# Allegro board RK_TABLET_DEMO1_RK3576_LP4XD200P132SD6_V12_20240530YWQ.brd (continued)
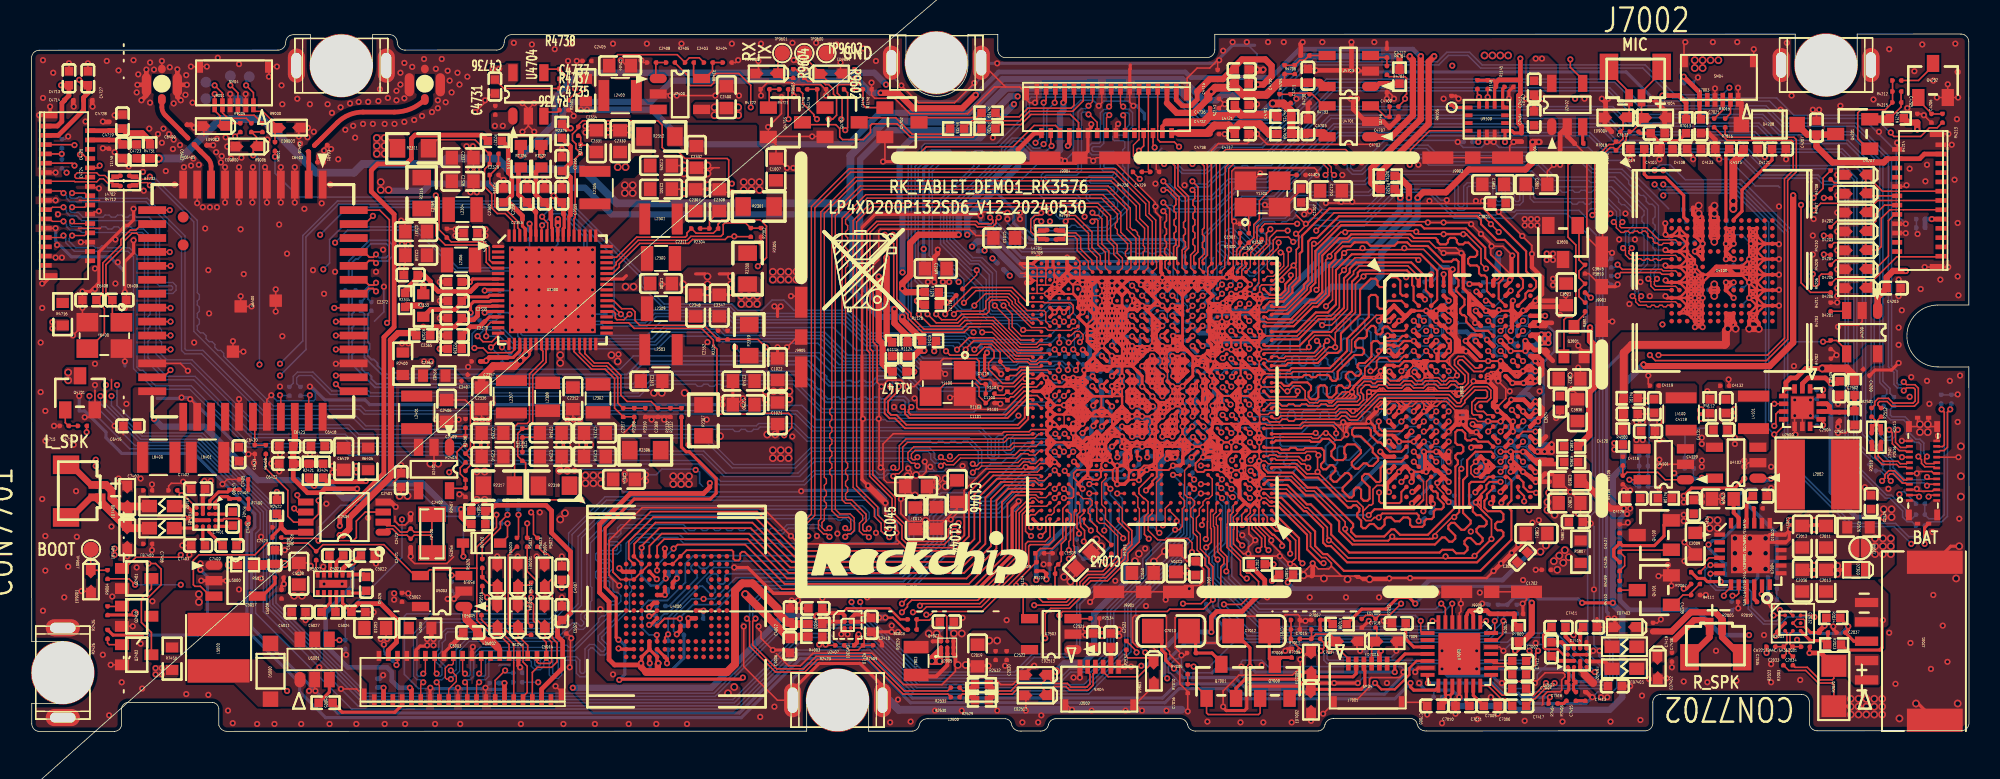
[diagram p0: board, top side]
## Placement (name value [footprint] x y rotation side) (continued)
C7414  10uF  [C0402]  100.56 6.73 0 top
C7415  10nF  [C0201]  100.26 2.26 270 top
C7416  100pF  [C0201]  99.34 3.17 180 top
C7417  10nF  [C0201]  98.17 1.8 0 top
C7418  680pF  [C0201]  105.84 4.8 270 top
C7419  680pF  [C0201]  104.63 6.73 90 top
C9103  100nF  [C0201]  95.33 41.63 0 top
C9104  100nF  [C0201]  96.14 38.38 270 top
C9105  100nF  [C0201]  92.69 38.07 180 bottom
CON7701  WF12002-01200  [FPC-0R8MM-2P]  4.23 15.12 180 top
CON7702  WF12002-01200  [FPC-0R8MM-2P]  109.08 6.79 270 top
D2300  PSUR1610DNV07  [ESD0603]  117.73 10.44 180 top
D2400  1N4148WS  [SOD_323]  29.04 12.17 180 top
D4201  ESD5471X  [ESD0402]  117.71 28.64 180 top
D4202  ESD5341N  [ESD0402]  117.71 34.73 180 top
D4203  ESD5341N  [ESD0402]  117.71 33.51 180 top
D4204  ESD5341N  [ESD0402]  117.71 32.29 180 top
D4205  ESD5341N  [ESD0402]  117.71 31.07 180 top
D4206  ESD5341N  [ESD0402]  117.71 29.85 180 top
D4207  ESD5341N  [ESD0402]  117.71 35.95 180 top
D4208  B5819W  [SOD_123]  112.13 39.2 0 top
D5000  B5819W  [SOD_123]  15.42 3.89 90 top
D9803  ESD5471X  [ESD0402]  72.42 3.78 270 top
ED2512  ESD5341N  [ESD0402]  64.78 2.32 180 top
ED2513  ESD5341N  [ESD0402]  64.78 3.64 180 top
ED5000  ESD5341N  [ESD0402]  33.1 7.44 90 top
ED5001  ESD5341N  [ESD0402]  33.1 10.08 90 top
ED5002  ESD5341N  [ESD0402]  31.37 7.44 90 top
ED5003  ESD5341N  [ESD0402]  30.05 10.08 90 top
ED5004  NC  [ESD0402]  31.37 10.08 90 top
ED5005  NC  [ESD0402]  30.05 7.44 90 top
ED7000  ESD5451N  [ESD0402]  84.9 5.83 0 top
ED7001  ESD5451N  [ESD0402]  82.56 4.45 90 top
ED7002  ESD5451N  [ESD0402]  82.56 1.91 270 top
ED7003  ESD5451N  [ESD0402]  87.44 5.83 0 top
ED7004  ESD5451N  [ESD0402]  104.78 39.65 0 top
ED7400  ESD5451N  [ESD0402]  6.18 15.16 90 top
ED7401  ESD5451N  [ESD0402]  6.18 12.52 270 top
ED7402  ESD5451N  [ESD0402]  104.93 4.09 270 top
ED7403  ESD5451N  [ESD0402]  102.8 6.73 180 top
ED9000  ESD5451N  [ESD0402]  13.88 37.78 180 top
ED9001  ESD5451N  [ESD0402]  3.84 9.68 270 top
ED9002  ESD5451N  [ESD0402]  11.75 39.1 180 top
ED9003  ESD5451N  [ESD0402]  16.62 39 0 top
ED9004  ESD5451N  [ESD0402]  102.19 39.65 180 top
ED9600  ESD5451N  [ESD0402]  47.42 42.49 180 top
ED9601  ESD5451N  [ESD0402]  51.59 42.49 0 top
FB7400  120R-100M  [L0603]  8.41 13.13 180 top
FB7401  120R-100M  [L0603]  8.41 14.55 180 top
FB7402  120R-100M  [L0603]  102.78 5.47 0 top
FB7403  120R-100M  [L0603]  102.78 4.05 0 top
J2000  JM  [OPEN]  117.99 11.84 270 top
J2001  CON5_1R25  [BAT-SMD]  118.41 5.83 90 top
J2501  OK_118RF24_2_35  [CNN24M_0R35]  122.05 16.84 0 top
J2502  SMD4  [FPC-6PIN-D]  68.9 2.73 0 top
J4201  TF  [CNN25_0R30_FH26W]  123.25 30.69 90 top
J4701  GC02M2_F  [CNN31_0R30_FH26W]  73.86 41.53 180 top
J4702  GC02M2_B  [CNN31_0R30_FH26W]  0.9 39.1 270 top
J5000  FPC-39PIN-0.35MM  [CNN39_0R30_FH26W]  22.11 2 0 top
J7001  SMD4  [FPC-6PIN-D]  86.22 2.93 0 top
J7002  CON-0.8MM-2P  [FPC-0R8MM-2P]  103.08 40.93 90 top
J7003  SMD4  [FPC-6PIN-D]  108.88 42.25 180 top
J9001  SMD4  [FPC-6PIN-D]  13.07 41.89 180 top
J9900  SHIELD_3P  [SHIELD_6R50X0R80]  94.21 9.02 0 top
J9901  SHIELD_3P  [SHIELD_6R50X0R80]  71.76 9.02 0 top
J9902  SHIELD_3P  [SHIELD_6R50X0R80]  92.99 37.06 0 top
J9903  SHIELD_3P  [SHIELD_6R50X0R80]  101.32 28.73 90 top
J9904  SHIELD_3P  [SHIELD_6R50X0R80]  67.64 37.06 0 top
J9905  SHIELD_3P  [SHIELD_6R50X0R80]  49.66 25.48 90 top
J9911  HOLE  [HOLE_A]  2.02 3.79 90 top
J9912  HOLE  [HOLE_A]  52.01 2.02 0 top
J9913  HOLE  [HOLE_A]  115.79 43.04 0 top
J9914  HOLE  [HOLE_A]  19.99 43.01 0 top
J9915  HOLE  [HOLE_A]  58.38 43.19 0 top
L2002  1.0uH  [IND_505015]  115.28 16.6 0 top
L2300  0.47uH  [IND_201610]  40.62 30.56 180 top
L2301  0.24uH  [IND_252012]  40.62 33.1 0 top
L2302  0.47uH  [IND_201610]  36.55 21.51 90 top
L2303  0.24uH  [IND_252012]  40.62 24.66 0 top
L2304  0.47uH  [IND_201610]  27.82 33.71 0 top
L2305  0.24uH  [IND_252012]  36.35 35.13 90 top
L2306  0.47uH  [IND_201610]  27.71 30.45 0 top
L2307  0.24uH  [IND_252012]  30.97 21.61 270 top
L2308  0.47uH  [IND_201610]  33.3 21.61 90 top
L2309  0.47uH  [IND_201610]  40.62 27.3 0 top
L2400  1.0uH  [IND_252010]  37.98 41.07 180 top
L2401  1.0uH  [IND_252010]  24.85 20.61 90 top
L2500  NC  [RP2_0405]  61.33 2.52 180 top
L2501  NC  [RP2_0405]  119.04 18.98 90 top
L4100  1.0uH  [IND_252010]  106.44 20.51 90 top
L4101  1.0uH  [IND_252010]  111.11 20.61 90 top
L4701  NC/MCZ1210DH900L2TA0G  [RP2_0504]  65.81 32.08 180 top
L4702  NC/MCZ1210DH900L2TA0G  [RP2_0504]  6.02 35.56 180 top
L5000  10uH  [IND_404030]  12.07 5.41 270 top
L6400  2.2uH  [IND_252012]  8.21 17.7 0 top
L6401  2.2uH  [IND_252012]  11.36 17.7 0 top
L7803  0.47uH  [IND_201610]  57.08 4.55 270 top
NOREF  -  []  50.32 10.06 0 top
NOREF#2  -  []  53.62 29.79 0 top
Q2400  WNM2021-3/TR  [SOT_323]  6.78 7.44 270 top
Q2401  WNM2021-3/TR  [SOT_323]  6.78 9.88 270 top
Q2402  WNM2021-3/TR  [SOT_323]  6.78 4.95 270 top
Q3800  NC/WNM2016-3/TR  [SOT_23]  98.82 31.58 180 top
Q3801  NC/WNM2021-3/TR  [SOT_323]  99.53 25.18 0 top
Q4100  WPM2015-3/TR  [SOT_23]  104.71 12.68 90 top
Q4101  S8050  [SOT_23]  104.71 9.13 90 top
Q4201  WPM2026-3/TR  [SOT_23]  117.51 38.59 90 top
Q4202  S8050  [SOT_23]  122.69 42.05 0 top
Q4701  S8050  [SOT_23]  3.13 21.87 0 top
Q4702  S8050  [SOT_23]  56.16 39.34 270 top
Q4703  S8050  [SOT_23]  48.64 39.34 270 top
Q4704  S8050  [SOT_23]  52.3 39.34 270 top
Q7000  WNM2016-3/TR  [SOT_23]  80.22 3.24 0 top
Q7001  WNM2016-3/TR  [SOT_23]  76.77 3.24 0 top
R1100  22R  [R0201]  61.85 21.82 0 top
R1101  510K  [R0201]  62.97 21.67 270 top
R1102  11.3K/43K  [R0201]  65.76 10.18 0 top
R1103  100K  [R0201]  65.97 10.79 180 top
R1104  10K  [R0201]  64.85 10.64 90 top
R1105  10K  [R0201]  61.55 24.82 180 bottom
R1107  0R  [R0201]  62.97 23.09 270 top
R1119  0R  [R0402]  55.53 24.69 270 top
R1121  100K  [R0201]  59.87 28.37 45 top
R1124  NC/0R  [R0402]  56.52 24.69 270 top
R1125  0R  [R0402]  58.09 28.37 180 top
R1126  NC/0R  [R0402]  58.09 27.56 180 top
R1127  2.2K  [R0201]  61.9 22.83 270 bottom
R1128  2.2K  [R0201]  61.04 22.83 90 bottom
R1138  2.2K  [R0201]  31.42 14.66 270 bottom
R1139  2.2K  [R0201]  30.71 14.66 270 bottom
R1141  0R  [R0402]  57.91 25.22 180 top
R1145  2.2K  [R0201]  93.96 41.78 270 top
R1146  2.2K  [R0201]  93.3 41.78 270 top
R1147  0R  [R0402]  56.01 23.24 180 top
R1200  240R  [R0201]  76.77 23.35 0 bottom
R1201  240R  [R0201]  76.47 19.88 180 bottom
R1202  0R  [R0402]  79.12 10.79 0 top
R1203  NC/0R  [R0201]  76.02 17.91 270 bottom
R1300  22R  [R0201]  78.26 32.18 0 top
R1301  8.2K  [R0201]  76.1 28.04 45 bottom
R1302  510K  [R0201]  78.26 31.57 0 top
R1306  0R  [R0201]  79.38 32.08 90 top
R1320  0R  [R0402]  87.51 35.89 180 top
R1323  0R  [R0402]  87.51 35.03 180 top
R1353  22R  [R0201]  69.68 11.76 270 top
R1360  NC/10K  [R0201]  67.59 11.15 180 bottom
R1361  NC/10K  [R0201]  67.44 12.12 90 bottom
R1367  22R  [R0201]  65.05 17.2 225 bottom
R1400  8.2K  [R0201]  72.01 28.73 90 bottom
R1401  200R  [R0201]  74.45 28.42 90 bottom
R1402  200R  [R0201]  71.1 29.23 0 bottom
R1407  0R  [R0201]  62.51 30.05 315 bottom
R1409  0R  [R0201]  61.09 31.32 90 bottom
R1412  0R  [R0201]  61.09 32.23 180 bottom
R1800  2.2K  [R0201]  95.23 7.9 270 bottom
R1801  2.2K  [R0201]  94.62 7.9 270 bottom
R1802  2.2K  [R0201]  108.99 10.79 180 bottom
R1803  2.2K  [R0201]  108.99 10.13 180 bottom
R1926  2.2K  [R0201]  72.27 13.54 270 bottom
R1927  2.2K  [R0201]  75.8 8.51 90 bottom
R1934  2.2K  [R0201]  73.18 13.79 0 bottom
R1935  2.2K  [R0201]  74.91 16.99 270 bottom
R2003  100R  [R0201]  113.65 4.56 90 top
R2004  100K  [R0201]  109.71 8.1 90 bottom
R2005  0R  [R0201]  110.4 8.37 0 top
R2006  10K  [R0201]  112.33 9.23 0 bottom
R2007  10K  [R0201]  107.37 10.29 0 top
R2010  100R  [R0201]  111.62 8.37 0 top
R2011  30K  [R0201]  112.33 8.52 0 bottom
R2020  0.002R  [R1206]  116.29 2.93 90 top
R2022  100R  [R0201]  113.04 4.56 90 top
R2023  4.7R  [R0402]  116.31 5.61 180 top
R2024  NC/10K  [R0402]  116.26 7.34 0 top
R2025  5.1K  [R0201]  112.33 9.94 180 bottom
R2026  0.01R  [R0603]  117.88 13.18 180 top
R2028  10K  [R0201]  56.82 7.24 0 top
R2029  NC/10K  [R0201]  56.82 6.58 0 top
R2300  0.02R  [R0805]  46.21 29.9 90 top
R2301  0.01R  [R0805]  46.92 33.91 0 top
R2302  49.9K  [R0201]  46.41 32.23 90 top
R2304  100R  [R0201]  44.02 32.49 0 top
R2305  100K  [R0201]  47.07 32.23 270 top
R2306  0.02R  [R0805]  39.6 18.16 180 top
R2307  0.01R  [R0805]  43.36 20.09 270 top
R2308  22K  [R0201]  38.89 20.6 90 top
R2310  100K  [R0201]  39.6 20.6 270 top
R2311  0.02R  [R0805]  24.62 37.67 0 top
R2312  0.01R  [R0805]  40.52 38.43 0 top
R2313  120K  [R0201]  29.85 36.65 0 top
R2314  100R  [R0201]  35.44 37.62 270 top
R2315  100K  [R0201]  29.85 35.94 0 top
R2316  0.02R  [R0805]  25.17 34.77 270 top
R2317  0.01R  [R0805]  30.15 15.87 180 top
R2318  0.02R  [R0805]  33.71 15.87 180 top
R2319  0.02R  [R0805]  46.31 25.27 270 top
R2320  100R  [R0201]  31.68 19.28 90 top
R2321  100R  [R0201]  44.91 25.6 270 top
R2322  0.02R  [R0603]  32.9 37.16 90 top
R2324  0R  [R0201]  30.66 23.8 180 bottom
R2325  0R  [R0402]  34.22 38.79 90 top
R2326  0.02R  [R0603]  31.58 37.16 90 top
R2327  0R  [R0402]  29.9 38.15 180 top
R2328  0R  [R0402]  27.31 24.71 180 top
R2329  0R  [R0402]  25.28 25.58 180 top
R2330  390K  [R0201]  41.94 20.6 90 top
R2332  100K  [R0201]  40.41 20.6 270 top
R2333  0.02R  [R0603]  25.28 27.51 90 top
R2334  0R  [R0402]  24.11 27.86 270 top
R2400  NC/0R  [R0603]  23.96 23.75 270 top
R2401  0R  [R0603]  35.77 41.43 270 top
R2402  0R  [R0603]  25.99 22.99 180 top
R2403  100K  [R0201]  28 17.66 270 top
R2404  249K  [R0201]  43.67 43.2 0 top
R2405  100K  [R0201]  41.23 43.2 180 top
R2406  10K  [R0201]  28 18.78 90 top
R2407  120K  [R0201]  28 15.43 270 top
R2408  100K  [R0201]  44.88 43.2 0 top
R2409  10K  [R0201]  53.37 5.56 0 top
R2410  100K  [R0201]  54.59 5.56 0 top
R2411  10K  [R0201]  65.36 24.61 0 bottom
R2414  4.7K  [R0201]  99.85 37.97 180 top
R2421  0R  [R0402]  17.91 16.84 90 top
R2422  0R  [R0402]  15.83 14.5 90 top
R2423  NC/10K  [R0201]  52.15 5.56 0 top
R2424  NC/0R  [R0402]  18.82 16.84 90 top
R2425  2M  [R0201]  4.91 7.8 90 top
R2426  10K  [R0201]  4.91 6.27 90 top
R2427  NC/0R  [R0201]  30 13.44 180 bottom
R2428  51K  [R0201]  15.83 12.52 0 top
R2500  100K  [R0201]  121.88 12.58 0 bottom
R2501  0R  [R0402]  117.63 22.17 270 top
R2502  100K  [R0201]  121.88 14.72 0 bottom
R2503  2M  [R0201]  123.88 21.46 90 bottom
R2504  2M  [R0201]  123.22 21.46 90 bottom
R2510  0R  [R0201]  118.73 18.98 270 top
R2512  2.2R  [R0201]  118.73 20.61 270 top
R2513  2.2R  [R0201]  119.34 20.61 270 top
R2514  4.7K  [R0201]  74.4 30.96 90 bottom
R2516  0R  [R0201]  119.34 18.98 270 top
R2517  NC/20K  [R0201]  74.7 30 0 bottom
R2529  0R  [R0402]  61.33 2.02 0 top
R2530  2.2R  [R0201]  59.6 2.22 0 top
R2531  2.2R  [R0201]  59.6 2.83 0 top
R2532  0R  [R0402]  61.33 3.03 0 top
R2534  6.8K  [R0201]  68.62 7.3 0 top
R2537  100R  [R0201]  70.64 5.56 270 top
R3802  240R  [R0201]  91.11 28.73 90 bottom
R3804  240R  [R0201]  92.41 28.73 90 bottom
R3806  0R  [R0402]  99.34 17.4 0 top
R3807  0R  [R0603]  99.95 11.61 270 top
R3809  0R  [R0402]  80.95 10.13 0 top
R3810  NC/100K  [R0201]  100.24 28.64 90 top
R3811  NC/10K  [R0201]  100.24 27.42 270 top
R3812  NC/0R  [R0402]  99.34 18.41 0 top
R4000  10K  [R0201]  40.35 5.57 90 bottom
R4001  NC/10K  [R0201]  39.35 11.2 90 bottom
R4002  0R  [R0402]  50.57 6.93 0 top
R4003  0R  [R0402]  50.57 6.12 0 top
R4005  NC/47K  [R0201]  40.26 7.19 270 bottom
R4006  NC/10K  [R0201]  42.09 6.53 90 bottom
R4007  0R  [R0201]  40.62 8.1 180 bottom
R4100  0R  [R0402]  102.68 18.98 90 top
R4101  NC/0R  [R0402]  103.19 21.52 180 top
R4103  232K  [R0201]  104.02 17.14 180 bottom
R4104  510K  [R0201]  104.02 16.48 180 bottom
R4105  10K  [R0201]  102.68 17.46 270 top
R4106  100K  [R0201]  102.68 16.24 270 top
R4107  49.9K  [R0201]  104.02 15.82 0 bottom
R4108  0R  [R0402]  105.39 15.06 0 top
R4109  100K  [R0201]  102.47 10.65 270 top
R4110  1K  [R0201]  102.47 9.43 270 top
R4111  10K  [R0201]  107.37 9.52 0 top
R4112  NC/0R  [R0402]  108.28 21.01 270 top
R4113  100K  [R0201]  106.96 16.99 0 bottom
R4114  100K  [R0201]  106.96 16.33 180 bottom
R4115  100K  [R0201]  111.2 15.93 90 bottom
R4116  100K  [R0201]  111.84 15.93 270 bottom
R4202  1M  [R0201]  116.09 24.98 270 top
R4203  4.7K  [R0201]  116.09 27.42 90 top
R4206  22R  [R0201]  116.09 29.85 90 top
R4207  22R  [R0201]  116.09 34.73 90 top
R4208  22R  [R0201]  116.09 35.95 270 top
R4209  22R  [R0201]  116.09 31.07 90 top
R4210  22R  [R0201]  116.09 32.29 90 top
R4211  100R  [R0201]  116.09 28.64 90 top
R4212  10K  [R0201]  120.36 42.05 180 top
R4213  10K  [R0201]  123.3 39.61 90 top
R4214  51K  [R0201]  122.59 39.61 270 top
R4215  100K  [R0201]  120.36 41.34 180 top
R4216  33R  [R0402]  120.36 39.61 180 top
R4701  10K  [R0201]  87.91 40.36 180 top
R4703  0R  [R0402]  88.27 42.29 270 top
R4704  100K  [R0201]  87.46 42.7 90 top
R4705  200K  [R0201]  81.51 42.75 90 top
R4706  390K  [R0201]  82.17 43.66 180 top
R4707  0R  [R0201]  65.81 32.38 180 top
R4708  0R  [R0201]  65.81 31.77 180 top
R4709  0R  [R0402]  80.83 38.59 180 top
R4711  0R  [R0201]  6.02 35.89 180 top
R4712  0R  [R0201]  6.02 35.23 180 top
R4713  0R  [R0402]  80.83 39.71 180 top
R4714  10K  [R0201]  3.28 19.74 180 top
R4715  47K  [R0201]  2.11 19.74 180 top
R4716  1R  [R0603]  2.01 26.95 90 top
R4717  10K  [R0201]  52.71 41.48 0 top
R4718  47K  [R0201]  53.93 41.48 0 top
R4719  220R  [R0402]  61.75 39.95 0 top
R4720  220R  [R0402]  61.75 38.94 0 top
R4721  10K  [R0201]  48.54 41.48 180 top
R4722  47K  [R0201]  47.32 41.48 180 top
R4723  220R  [R0402]  59.72 38.94 0 top
R4724  10K  [R0201]  49.76 41.48 0 top
R4725  47K  [R0201]  50.98 41.48 0 top
R4726  22R  [R0201]  71.35 36.14 0 top
R4727  22R  [R0201]  1.96 36.65 90 bottom
R4730  NC  [R0201]  81.24 40.88 90 top
R4731  0R  [R0402]  7.65 37.46 90 top
R4732  0R  [R0402]  6.78 37.46 90 top
R4733  NC  [R0201]  82.46 40.88 270 top
R4736  10K  [R0201]  34.35 40.77 180 top
R4737  NC  [R0201]  34.34 42.15 0 top
R4738  NC  [R0201]  34.34 42.78 0 top
R5001  NC/4.7K  [R0201]  27.1 9.37 270 bottom
R5004  1.5R  [R0603]  25.07 6.68 0 top
R5005  0R  [R0402]  18.98 1.85 0 top
R5006  100K  [R0201]  20.25 5.61 270 bottom
R5010  0R  [R0201]  31.37 3.17 180 bottom
R5013  NC/0R  [R0402]  13.78 10.75 0 top
R5015  10K  [R0201]  23.09 4.8 135 bottom
R5016  NC/22R  [R0201]  29.04 7.8 270 top
R5017  NC/22R  [R0201]  32.24 9.32 90 top
R5018  NC/22R  [R0201]  32.24 6.53 270 top
R5019  NC/22R  [R0201]  29.09 9.68 90 top
R5020  22R  [R0201]  29.09 10.85 270 top
R5021  22R  [R0201]  31.32 12.22 270 top
R5022  22R  [R0201]  32.64 12.22 270 top
R5023  22R  [R0201]  31.98 12.22 270 top
R5024  NC/0R  [R0402]  28.83 14.25 0 top
R5025  NC/0R  [R0402]  28.83 13.39 0 top
R5027  22R  [R0201]  18.37 11.35 270 top
R6405  0R  [R0603]  21.72 17.6 90 top
R6408  0R  [R0201]  15.12 18.21 90 top
R7000  0R  [R0402]  95.96 6.26 90 top
R7004  0R  [R0201]  86.39 5.21 180 bottom
R7005  470R  [R0201]  74.84 5.06 180 top
R7006  470R  [R0201]  81.31 5.05 90 top
R7007  2.2K  [R0201]  82.87 6.59 0 top
R7008  100R  [R0402]  84.41 6.93 0 top
R7009  100K  [R0201]  81.55 5.98 180 top
R7010  300K  [R0201]  74.6 3.99 270 top
R7011  100K  [R0201]  81.55 6.59 0 top
R7012  1K  [R0201]  86.73 6.99 270 top
R7013  100R  [R0402]  106.76 39.09 270 top
R7015  22R  [R0201]  109.28 39.3 90 top
R7016  22R  [R0201]  108.57 39.3 90 top
R7017  1.1K  [R0201]  103.41 38.73 180 top
R7018  1.1K  [R0201]  102.24 38.73 180 top
R7400  100K  [R0201]  13.69 15.62 180 top
R7401  100K  [R0201]  13.69 15.01 180 top
R7402  100K  [R0201]  9.12 15.57 180 top
R7403  100K  [R0201]  99.65 2.26 90 top
R7404  100K  [R0201]  99.04 2.26 90 top
R7450  0R  [R0603]  9.07 4.7 270 top
R9000  100R  [R0201]  14.9 39 90 top
R9001  3K  [R0201]  14.18 39 90 top
R9004  100R  [R0201]  4.91 10.13 90 top
R9005  100R  [R0201]  13.47 39 90 top
R9006  100R  [R0201]  15.71 37.78 90 top
R9105  10K  [R0201]  91.62 40.77 90 top
R9600  NC  [R0201]  68.05 13.64 0 bottom
R9601  10K  [R0201]  68.05 14.3 180 bottom
R9602  100R  [R0201]  53.11 42.49 270 top
R9603  100R  [R0201]  49.15 42.49 270 top
R9604  NC  [R0201]  49.86 42.49 90 top
TP9002  TP_0.7  [TP_0R70]  14.05 42.29 180 bottom
TP9003  TP_0.7  [TP_0R70]  13.34 40.77 180 bottom
TP9004  TP_0.7  [TP_0R70]  12.83 42.34 180 bottom
TP9005  TP_0.7  [TP_0R70]  11.26 41.93 180 bottom
TP9006  TP_0.7  [TP_0R70]  11.26 40.87 180 bottom
TP9007  TP_1.0  [TP_1R00]  3.84 11.76 0 top
TP9600  TP_1.0  [TP_1R00]  49.86 43.81 0 top
TP9601  TP_1.0  [TP_1R00]  48.44 43.81 0 top
TP9602  TP_1.0  [TP_1R00]  51.29 43.81 0 top
U1000  RK3576  [BGA698_16R1X17R2X1R08]  72.32 21.97 180 top
U2003  CW2217BAAC/SH36ZQ01  [WLCSP9_0P5_1P74X1P50]  113.65 6.99 0 top
U2004  SGM41542YTQF24G/SC89890/BQ25890/SY6970  [QFN24_4R00X4R00X0R80_T]  110.91 11.46 0 top
U2005  DCDC_SGM66055_5.0YGTR  [WLCSP9_1R21X1R21]  59.09 5.42 270 top
U2300  RK806S-5  [QFN68_7R00X7R00X0R80_T]  33.61 28.52 0 top
U2400  TMI3112H  [SOT_23_5]  41.84 41.17 0 top
U2401  TMI3112H  [SOT_23_5]  25.97 16.95 270 top
U2402  SGM2590D  [SOT_23_5]  99.09 40.46 90 top
U2404  HYM8563TS  [TSSOP8_3R10X3R10X1R10]  20.2 13.84 180 top
U2407  CW3301  [WLCSP4_0R80X0R80X0R50]  52.66 6.88 180 top
U2500  HUSB311  [MLP14_2R50X2R50X0R80]  114.26 20.91 270 top
U2503  SY6280AAC/TCS9163/SGM2590D  [SOT_23_5]  65.8 6.28 180 top
U3800  LPDDR4_200P  [BGA200_15R00X10R00X0R90]  92.31 21.97 0 top
U4000  EMMC_B153_2L  [BGA153_13RX11R5X0R9_2L]  41.62 8.06 0 top
U4100  UFS_B153  [FBGA153_11R5X13R0X1R00]  109.08 29.75 0 top
U4101  TMI3112H  [SOT_23_5]  105.32 17.26 180 top
U4102  TMI3112H  [SOT_23_5]  109.99 17.36 180 top
U4200  SGM2590D  [SOT_23_5]  118.12 25.79 270 top
U4701  PT5108E23E-28  [SOT_23_5]  85 39.4 180 top
U4703  LP3983S  [SOT_23_5]  85 42.66 180 top
U4704  PT5108E23E-18  [SOT_23_5]  32.06 41.15 90 top
U5000  TCS2109-1.8V  [SOT_23_5]  13.17 9.74 0 top
U5001  SY7200A  [SOT23-6]  18.27 4.65 90 top
U5002  FP7721BX2  [FP7721]  19.47 9.53 180 top
U5003  NC/SGM2590D  [SOT_23_5]  26.5 9.07 180 top
U6400  AP6276P  [MD55_WIFI_15R0X13R0X1R85]  14.29 27.82 270 top
U7000  ES8388  [QFN28_4R00X4R00X0R90_T]  92.13 5 270 top
U7400  XA2613  [BGA15_1R63X1R63X0R63]  11.26 13.84 180 top
U7402  XA2613  [BGA15_1R63X1R63X0R63]  99.73 4.76 0 top
U9100  ICM-42607-C  [LGA14_3R00X2R50X0R86]  93.91 39.55 0 top
Y1100  24MHz  [CRY4_3R20X2R50X0R80]  59.11 22.48 180 top
Y1300  26MHz  [CRY4_3R20X2R50X0R80]  79.43 34.72 0 top
Y2400  32.768KHz  [CRY2_3R20X1R50X0R90]  25.83 12.78 90 top
Y6400  37.4MHz  [CRY4_3R20X2R50X0R80]  4.7 25.58 180 top

## Library data of the parts
ANT6401 ANT6402 = ANT_IIFA_CC2420_32mil_MIR_0
C1000-C1005 C1007 C1009-C1011 C1013 C1015-C1018 C1021-C1024 C1026-C1028 C1030 C1032-C1035 C1037-C1046 C1100-C1111 C1116-C1120 C1200-C1204 C1206-C1210 C1212-C1217 C1300-C1302 C1304 C1305 C1307-C1311 C1400 C1402 C1404-C1406 C1408 C1503 C1504 C1506 C1507 C1509 C1510 C1700 C1701 C1800-C1802 C1901 C1903 C2008-C2013 C2015 C2017 C2019 C2020 C2032-C2037 C2040 C2300 C2301 C2307-C2309 C2311-C2313 C2315-C2317 C2324 C2325 C2327-C2331 C2334-C2340 C2345-C2348 C2351-C2360 C2362-C2372 C2400-C2407 C2410 C2412-C2414 C2421 C2423 C2503-C2507 C2521-C2524 C3801-C3844 C4000-C4002 C4004-C4007 C4100-C4103 C4105-C4108 C4110 C4112-C4127 C4129-C4132 C4200 C4201 C4203-C4207 C4702 C4703 C4709-C4711 C4713-C4728 C4731 C4736 C5008-C5011 C5014 C5015 C5017-C5024 C5026 C5027 C6402 C6403 C6408 C6409 C6415 C6418-C6420 C6422 C6423 C7000-C7006 C7009-C7013 C7015 C7016 C7018-C7022 C7400-C7408 C7411-C7419 C9103-C9105 = CAP NP
C2332 C2344 C2349 C2350 C2408 C2409 C2422 C3800 C3845 C4003 C4109 C4128 C4701 C4707 C4712 C4729 C4730 C4735 C4737 C6400 C6401 C6405 C6410 C6421 C7007 C7008 C7014 C7017 = CAP NP_NC
C2500-C2502 C2508-C2511 C6411-C6414 = CAP NP: signal model: CAP_NP_C0201_100NF_100nF
C5002 C5003 = CAP NP_NC: signal model: CAP_NP_C0201_220NF_220nF
C6416 C6417 = CAP NP: signal model: CAP_NP_C0201_100PF_100pF
CON7701 CON7702 = CPBA206-0102E_0
D2300 = DIODE ZENER2
D2400 D4208 D5000 = DIODE
D4201-D4207 D9803 ED2512 ED2513 ED5000-ED5005 ED7000-ED7004 ED7400-ED7403 ED9000-ED9004 ED9600 ED9601 = DIODE BI_DIR TRIG
FB7400-FB7403 = BEAD
J2000 = JM_0
J2001 = CON5_1R27
J2501 = OK_118RF24_2_0
J2502 J7001 = SMD4_0
J4201 = LCM0200CE1A0_3
J4701 = LCM0200CE1A0_7
J4702 = LCM0200CE1A0_2
J5000 = FPC_39_3.3
J7002 = CON2_0
J7003 J9001 = SMD4_2
J9900-J9905 = SHIELD_3P
J9911-J9915 = HOLE
L2002 L2300-L2309 L2400 L2401 L4100 L4101 L5000 L6400 L6401 L7803 = INDUCTORS OF FERRITE
L2500 L2501 L4701 L4702 = INDUCTOR COM
Q2400-Q2402 Q3800 Q3801 Q7000 Q7001 = MOSFET N
Q4100 Q4201 = MOSFET P
Q4101 Q4202 Q4701-Q4704 = NPN
R1100 R1105 R1107 R1119 R1121 R1125 R1127 R1128 R1138 R1139 R1141 R1145-R1147 R1202 R1300 R1301 R1306 R1320 R1323 R1400-R1402 R1407 R1409 R1412 R1800-R1803 R1926 R1927 R1934 R1935 R2003-R2005 R2007 R2010 R2022 R2028 R2300 R2304 R2306 R2311 R2314 R2316 R2318-R2322 R2324 R2326 R2330 R2332 R2333 R2401 R2402 R2405 R2406 R2409-R2411 R2414 R2421 R2422 R2425 R2426 R2428 R2500-R2502 R2514 R2534 R2537 R3806 R3807 R3809 R4000 R4002 R4003 R4100 R4105 R4106 R4108-R4111 R4115 R4116 R4202 R4203 R4211-R4216 R4720-R4727 R4731 R4732 R4736 R5010 R5015 R5020-R5023 R5027 R6405 R6408 R7000 R7004-R7013 R7015 R7016 R7400-R7404 R7450 R9000 R9004-R9006 R9105 R9601-R9603 = RESISTOR5
R1101-R1104 R1302 R2006 R2011 R2020 R2023 R2025 R2026 R2301 R2302 R2305 R2307 R2308 R2310 R2312 R2313 R2315 R2317 R2325 R2327-R2329 R2334 R2403 R2404 R2407 R2408 R4103 R4104 R4107 R4113 R4114 R7017 R7018 R9001 = RESISTOR1
R1124 R1126 R1200 R1201 R1203 R1360 R1361 R2029 R2400 R2423 R2424 R2427 R3810-R3812 R4001 R4005 R4006 R4101 R4112 R4730 R4733 R4737 R4738 R5013 R5016-R5019 R5024 R5025 R9600 R9604 = RESISTOR5_NC
R1353 R2504 R2510 R2516 R4007 R4701 R4703 R4704 R4707-R4709 R4711-R4719 R5006 = RESISTOR5: signal model: RESISTOR5_R0201_0R_0R
R1367 R4206-R4210 = RESISTOR5: signal model: RESISTOR5_R0201_22R_22R
R2024 = RESISTOR1_NC
R2503 = RESISTOR5: signal model: RESISTOR_R0201_0R_0R
R2512 R2513 R2529 R2532 = RESISTOR5: signal model: RESISTOR5_R0402_0R_0R
R2517 R5001 = RESISTOR5_NC: signal model: RESISTOR5_R0201_0R_0R
R2530 R2531 = RESISTOR5: signal model: RESISTOR5_R0201_2.2R_2.2R
R3802 R3804 = RESISTOR5_NC: signal model: RESISTOR_R0201_49.9R_49.9R
R4705 R4706 R5004 = RESISTOR1: signal model: RESISTOR5_R0201_0R_0R
R5005 = RESISTOR: signal model: RESISTOR5_R0201_0R_0R
TP9002-TP9007 TP9600-TP9602 = TP
U1000 = SOC_RK3576
U2003 = GAUGE_CW2217BAAC
U2004 = CHARGER_BQ25890_0
U2005 = DCDC_SGM66055
U2300 = PMIC_RK806S-5
U2400 = DCDC_ETA3409
U2401 U4101 U4102 = DCDC_SY8088
U2402 U2503 U4200 U5003 = SWITCH_SY6280
U2404 = RTC_HYM8563
U2407 = CW3301_Load Switch
U2500 = USB_FUSB302B
U3800 = LPDDR4_1
U4000 = INAND_EMMC_153_2L
U4100 = NANDFLASH_UFS_153p
U4701 U4704 = LDO_PT5108
U4703 = LDO_LP3983S
U5000 = DS8008_4
U5001 = DCDC_MP1488
U5002 = CON / 10 / AXE510127_0
U6400 = MODULE_AP627XP
U7000 = Audio_ES8388
U7400 U7402 = Amplifier_XA2613
U9100 = U / ITG-1010_0
Y1100 Y1300 Y6400 = CRYSTAL_4P
Y2400 = CRYSTAL_2P

## Footprints (pads in the part's own frame, mm; a bottom-side part is the same pattern mirrored in y, then rotated)
BAT-SMD
  rect 0.6x1.5 smd: 1(-2.5,0) 2(-1.25,0) 3(0,0) 4(1.25,0) 5(2.5,0)
  rect 1.5x3.6 smd: 6(-5.1,-4.4) 7(5.1,-4.4)
BGA15_1R63X1R63X0R63
  round 0.27 smd: A1(-0.6,-0.6) A2(-0.2,-0.6) A3(0.2,-0.6) A4(0.6,-0.6) B1(-0.6,-0.2) B2(-0.2,-0.2) B3(0.2,-0.2) B4(0.6,-0.2) C1(-0.6,0.2) C2(-0.2,0.2) C4(0.6,0.2) D1(-0.6,0.6) D2(-0.2,0.6) D3(0.2,0.6) D4(0.6,0.6)
BGA153_13RX11R5X0R9_2L
  round 0.3 smd: A2(-2.75,3.25) A3(-2.25,3.25) A4(-1.75,3.25) A5(-1.25,3.25) A6(-0.75,3.25) A7(-0.25,3.25) A8(0.25,3.25) A9(0.75,3.25) A10(1.25,3.25) A11(1.75,3.25) A12(2.25,3.25) A13(2.75,3.25) A14(3.25,3.25) B1(-3.25,2.75) B2(-2.75,2.75) B3(-2.25,2.75) B4(-1.75,2.75) B5(-1.25,2.75) B6(-0.75,2.75) B7(-0.25,2.75) B8(0.25,2.75) B9(0.75,2.75) B10(1.25,2.75) B11(1.75,2.75) B12(2.25,2.75) B13(2.75,2.75) B14(3.25,2.75) C1(-3.25,2.25) C2(-2.75,2.25) C3(-2.25,2.25) C4(-1.75,2.25) C6(-0.75,2.25) C7(-0.25,2.25) C8(0.25,2.25) C9(0.75,2.25) C10(1.25,2.25) C11(1.75,2.25) C12(2.25,2.25) C13(2.75,2.25) C14(3.25,2.25) D1(-3.25,1.75) D2(-2.75,1.75) D3(-2.25,1.75) D4(-1.75,1.75) D12(2.25,1.75) D13(2.75,1.75) D14(3.25,1.75) E1(-3.25,1.25) E2(-2.75,1.25) E3(-2.25,1.25) E5(-1.25,1.25) E6(-0.75,1.25) E7(-0.25,1.25) E8(0.25,1.25) E9(0.75,1.25) E10(1.25,1.25) E12(2.25,1.25) E13(2.75,1.25) E14(3.25,1.25) F1(-3.25,0.75) F2(-2.75,0.75) F3(-2.25,0.75) F5(-1.25,0.75) F10(1.25,0.75) F12(2.25,0.75) F13(2.75,0.75) F14(3.25,0.75) G1(-3.25,0.25) G2(-2.75,0.25) G3(-2.25,0.25) G5(-1.25,0.25) G10(1.25,0.25) G12(2.25,0.25) G13(2.75,0.25) G14(3.25,0.25) H1(-3.25,-0.25) H2(-2.75,-0.25) H3(-2.25,-0.25) H5(-1.25,-0.25) H10(1.25,-0.25) H12(2.25,-0.25) H13(2.75,-0.25) H14(3.25,-0.25) J1(-3.25,-0.75) J2(-2.75,-0.75) J3(-2.25,-0.75) J5(-1.25,-0.75) J10(1.25,-0.75) J12(2.25,-0.75) J13(2.75,-0.75) J14(3.25,-0.75) K1(-3.25,-1.25) K2(-2.75,-1.25) K3(-2.25,-1.25) K5(-1.25,-1.25) K6(-0.75,-1.25) K7(-0.25,-1.25) K8(0.25,-1.25) K9(0.75,-1.25) K10(1.25,-1.25) K12(2.25,-1.25) K13(2.75,-1.25) K14(3.25,-1.25) L1(-3.25,-1.75) L2(-2.75,-1.75) L3(-2.25,-1.75) L12(2.25,-1.75) L13(2.75,-1.75) L14(3.25,-1.75) M1(-3.25,-2.25) M2(-2.75,-2.25) M3(-2.25,-2.25) M4(-1.75,-2.25) M5(-1.25,-2.25) M6(-0.75,-2.25) M7(-0.25,-2.25) M8(0.25,-2.25) M9(0.75,-2.25) M10(1.25,-2.25) M11(1.75,-2.25) M12(2.25,-2.25) M13(2.75,-2.25) M14(3.25,-2.25) N1(-3.25,-2.75) N2(-2.75,-2.75) N3(-2.25,-2.75) N4(-1.75,-2.75) N5(-1.25,-2.75) N6(-0.75,-2.75) N7(-0.25,-2.75) N8(0.25,-2.75) N9(0.75,-2.75) N10(1.25,-2.75) N11(1.75,-2.75) N12(2.25,-2.75) N13(2.75,-2.75) N14(3.25,-2.75) P1(-3.25,-3.25) P2(-2.75,-3.25) P3(-2.25,-3.25) P4(-1.75,-3.25) P5(-1.25,-3.25) P6(-0.75,-3.25) P7(-0.25,-3.25) P8(0.25,-3.25) P9(0.75,-3.25) P10(1.25,-3.25) P11(1.75,-3.25) P12(2.25,-3.25) P13(2.75,-3.25) P14(3.25,-3.25)
BGA200_15R00X10R00X0R90
  round 0.3 smd: A1(-4.4,6.825) A2(-3.6,6.825) A3(-2.8,6.825) A4(-2,6.825) A5(-1.2,6.825) A8(1.2,6.825) A9(2,6.825) A10(2.8,6.825) A11(3.6,6.825) A12(4.4,6.825) AA1(-4.4,-6.175) AA2(-3.6,-6.175) AA3(-2.8,-6.175) AA4(-2,-6.175) AA5(-1.2,-6.175) AA8(1.2,-6.175) AA9(2,-6.175) AA10(2.8,-6.175) AA11(3.6,-6.175) AA12(4.4,-6.175) AB1(-4.4,-6.825) AB2(-3.6,-6.825) AB3(-2.8,-6.825) AB4(-2,-6.825) AB5(-1.2,-6.825) AB8(1.2,-6.825) AB9(2,-6.825) AB10(2.8,-6.825) AB11(3.6,-6.825) AB12(4.4,-6.825) B1(-4.4,6.175) B2(-3.6,6.175) B3(-2.8,6.175) B4(-2,6.175) B5(-1.2,6.175) B8(1.2,6.175) B9(2,6.175) B10(2.8,6.175) B11(3.6,6.175) B12(4.4,6.175) C1(-4.4,5.525) C2(-3.6,5.525) C3(-2.8,5.525) C4(-2,5.525) C5(-1.2,5.525) C8(1.2,5.525) C9(2,5.525) C10(2.8,5.525) C11(3.6,5.525) C12(4.4,5.525) D1(-4.4,4.875) D2(-3.6,4.875) D3(-2.8,4.875) D4(-2,4.875) D5(-1.2,4.875) D8(1.2,4.875) D9(2,4.875) D10(2.8,4.875) D11(3.6,4.875) D12(4.4,4.875) E1(-4.4,4.225) E2(-3.6,4.225) E3(-2.8,4.225) E4(-2,4.225) E5(-1.2,4.225) E8(1.2,4.225) E9(2,4.225) E10(2.8,4.225) E11(3.6,4.225) E12(4.4,4.225) F1(-4.4,3.575) F2(-3.6,3.575) F3(-2.8,3.575) F4(-2,3.575) F5(-1.2,3.575) F8(1.2,3.575) F9(2,3.575) F10(2.8,3.575) F11(3.6,3.575) F12(4.4,3.575) G1(-4.4,2.925) G2(-3.6,2.925) G3(-2.8,2.925) G4(-2,2.925) G5(-1.2,2.925) G8(1.2,2.925) G9(2,2.925) G10(2.8,2.925) G11(3.6,2.925) G12(4.4,2.925) H1(-4.4,2.275) H2(-3.6,2.275) H3(-2.8,2.275) H4(-2,2.275) H5(-1.2,2.275) H8(1.2,2.275) H9(2,2.275) H10(2.8,2.275) H11(3.6,2.275) H12(4.4,2.275) J1(-4.4,1.625) J2(-3.6,1.625) J3(-2.8,1.625) J4(-2,1.625) J5(-1.2,1.625) J8(1.2,1.625) J9(2,1.625) J10(2.8,1.625) J11(3.6,1.625) J12(4.4,1.625) K1(-4.4,0.975) K2(-3.6,0.975) K3(-2.8,0.975) K4(-2,0.975) K5(-1.2,0.975) K8(1.2,0.975) K9(2,0.975) K10(2.8,0.975) K11(3.6,0.975) K12(4.4,0.975) N1(-4.4,-0.975) N2(-3.6,-0.975) N3(-2.8,-0.975) N4(-2,-0.975) N5(-1.2,-0.975) N8(1.2,-0.975) N9(2,-0.975) N10(2.8,-0.975) N11(3.6,-0.975) N12(4.4,-0.975) P1(-4.4,-1.625) P2(-3.6,-1.625) P3(-2.8,-1.625) P4(-2,-1.625) P5(-1.2,-1.625) P8(1.2,-1.625) P9(2,-1.625) P10(2.8,-1.625) P11(3.6,-1.625) P12(4.4,-1.625) R1(-4.4,-2.275) R2(-3.6,-2.275) R3(-2.8,-2.275) R4(-2,-2.275) R5(-1.2,-2.275) R8(1.2,-2.275) R9(2,-2.275) R10(2.8,-2.275) R11(3.6,-2.275) R12(4.4,-2.275) T1(-4.4,-2.925) T2(-3.6,-2.925) T3(-2.8,-2.925) T4(-2,-2.925) T5(-1.2,-2.925) T8(1.2,-2.925) T9(2,-2.925) T10(2.8,-2.925) T11(3.6,-2.925) T12(4.4,-2.925) U1(-4.4,-3.575) U2(-3.6,-3.575) U3(-2.8,-3.575) U4(-2,-3.575) U5(-1.2,-3.575) U8(1.2,-3.575) U9(2,-3.575) U10(2.8,-3.575) U11(3.6,-3.575) U12(4.4,-3.575) V1(-4.4,-4.225) V2(-3.6,-4.225) V3(-2.8,-4.225) V4(-2,-4.225) V5(-1.2,-4.225) V8(1.2,-4.225) V9(2,-4.225) V10(2.8,-4.225) V11(3.6,-4.225) V12(4.4,-4.225) W1(-4.4,-4.875) W2(-3.6,-4.875) W3(-2.8,-4.875) W4(-2,-4.875) W5(-1.2,-4.875) W8(1.2,-4.875) W9(2,-4.875) W10(2.8,-4.875) W11(3.6,-4.875) W12(4.4,-4.875) Y1(-4.4,-5.525) Y2(-3.6,-5.525) Y3(-2.8,-5.525) Y4(-2,-5.525) Y5(-1.2,-5.525) Y8(1.2,-5.525) Y9(2,-5.525) Y10(2.8,-5.525) Y11(3.6,-5.525) Y12(4.4,-5.525)
